# Altium PCB laser_board.PcbDoc (part 1 of 2)
Units mil, origin at the board's own origin, x right, y up, seen from the top; angles counter-clockwise.
Board outline 2420 x 3330 mil, 4 copper layers (Top Layer, Mid Layer 1, Mid Layer 2, Bottom Layer), stack 61.811 mil thick; 141 components, 94 nets, 491 pads, 219 vias.
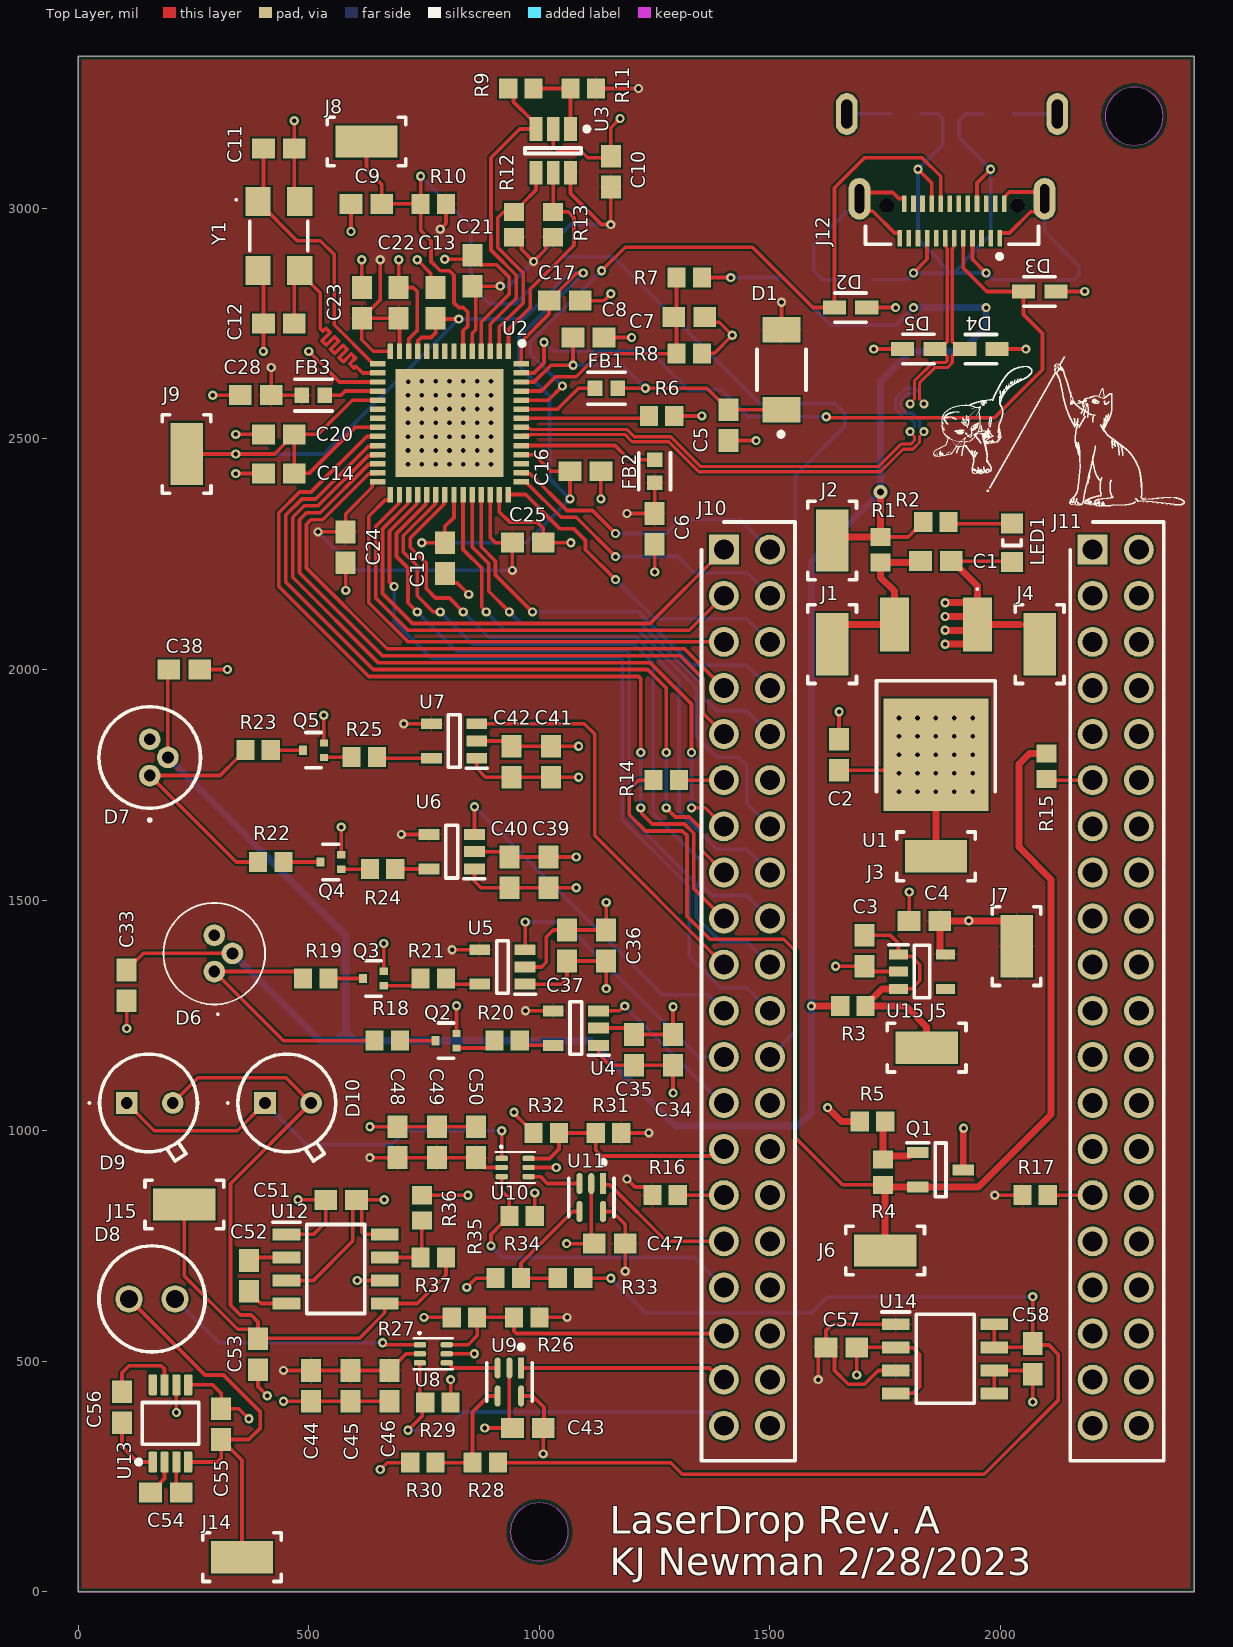
[diagram p0: Top Layer view]
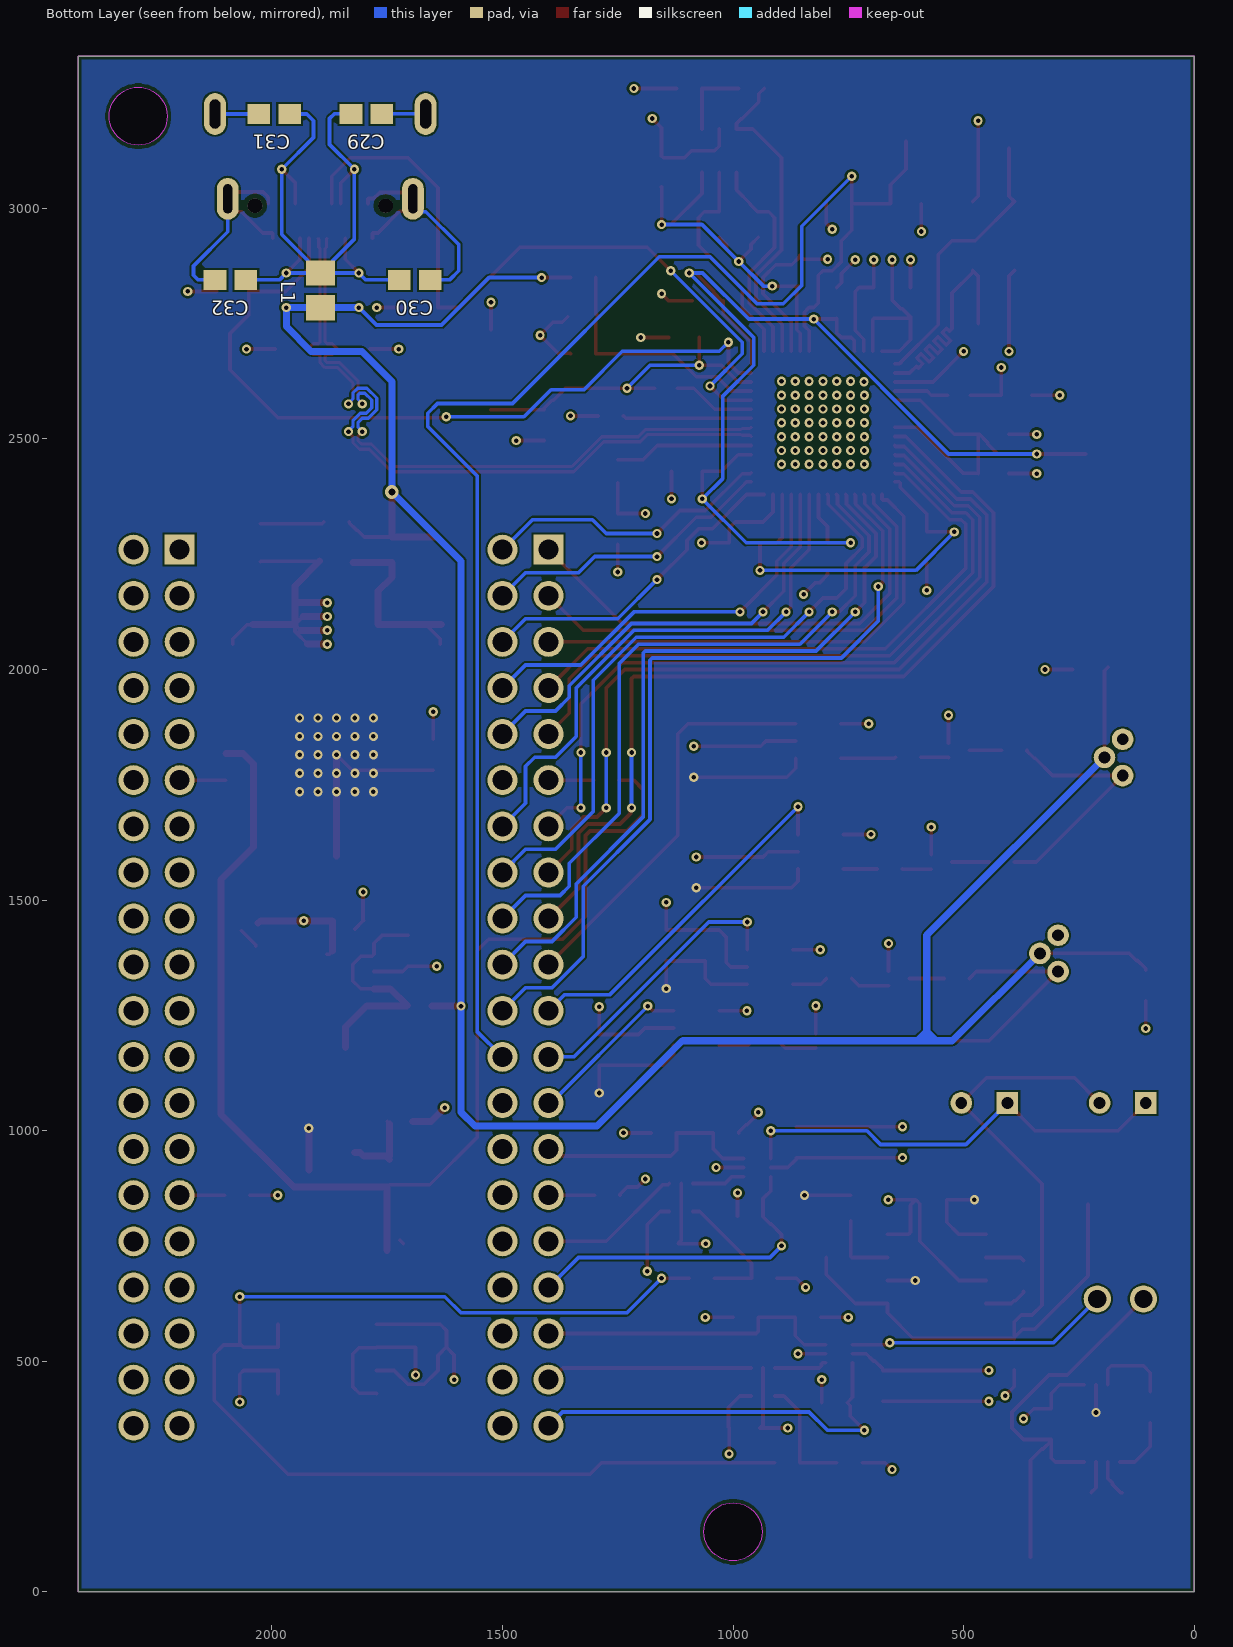
[diagram p1: Bottom Layer view, seen from below]
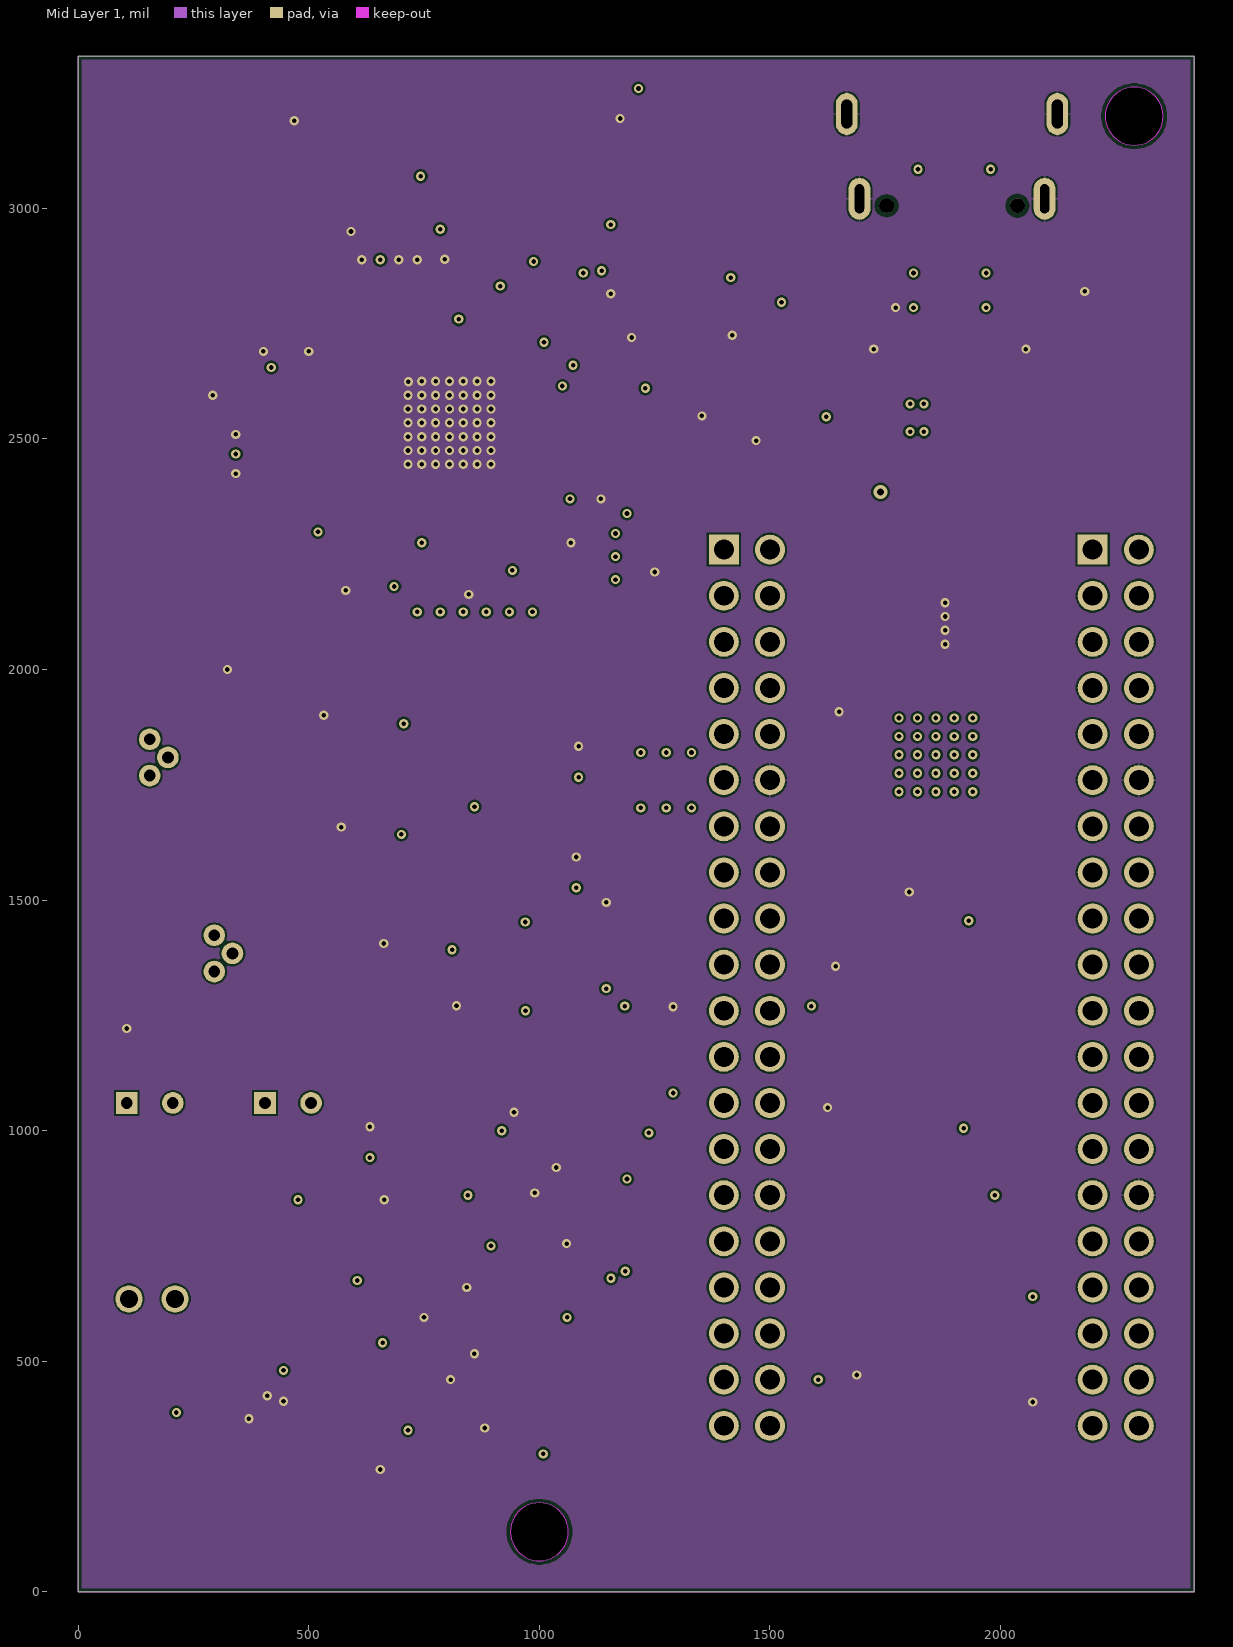
[diagram p2: Mid Layer 1]
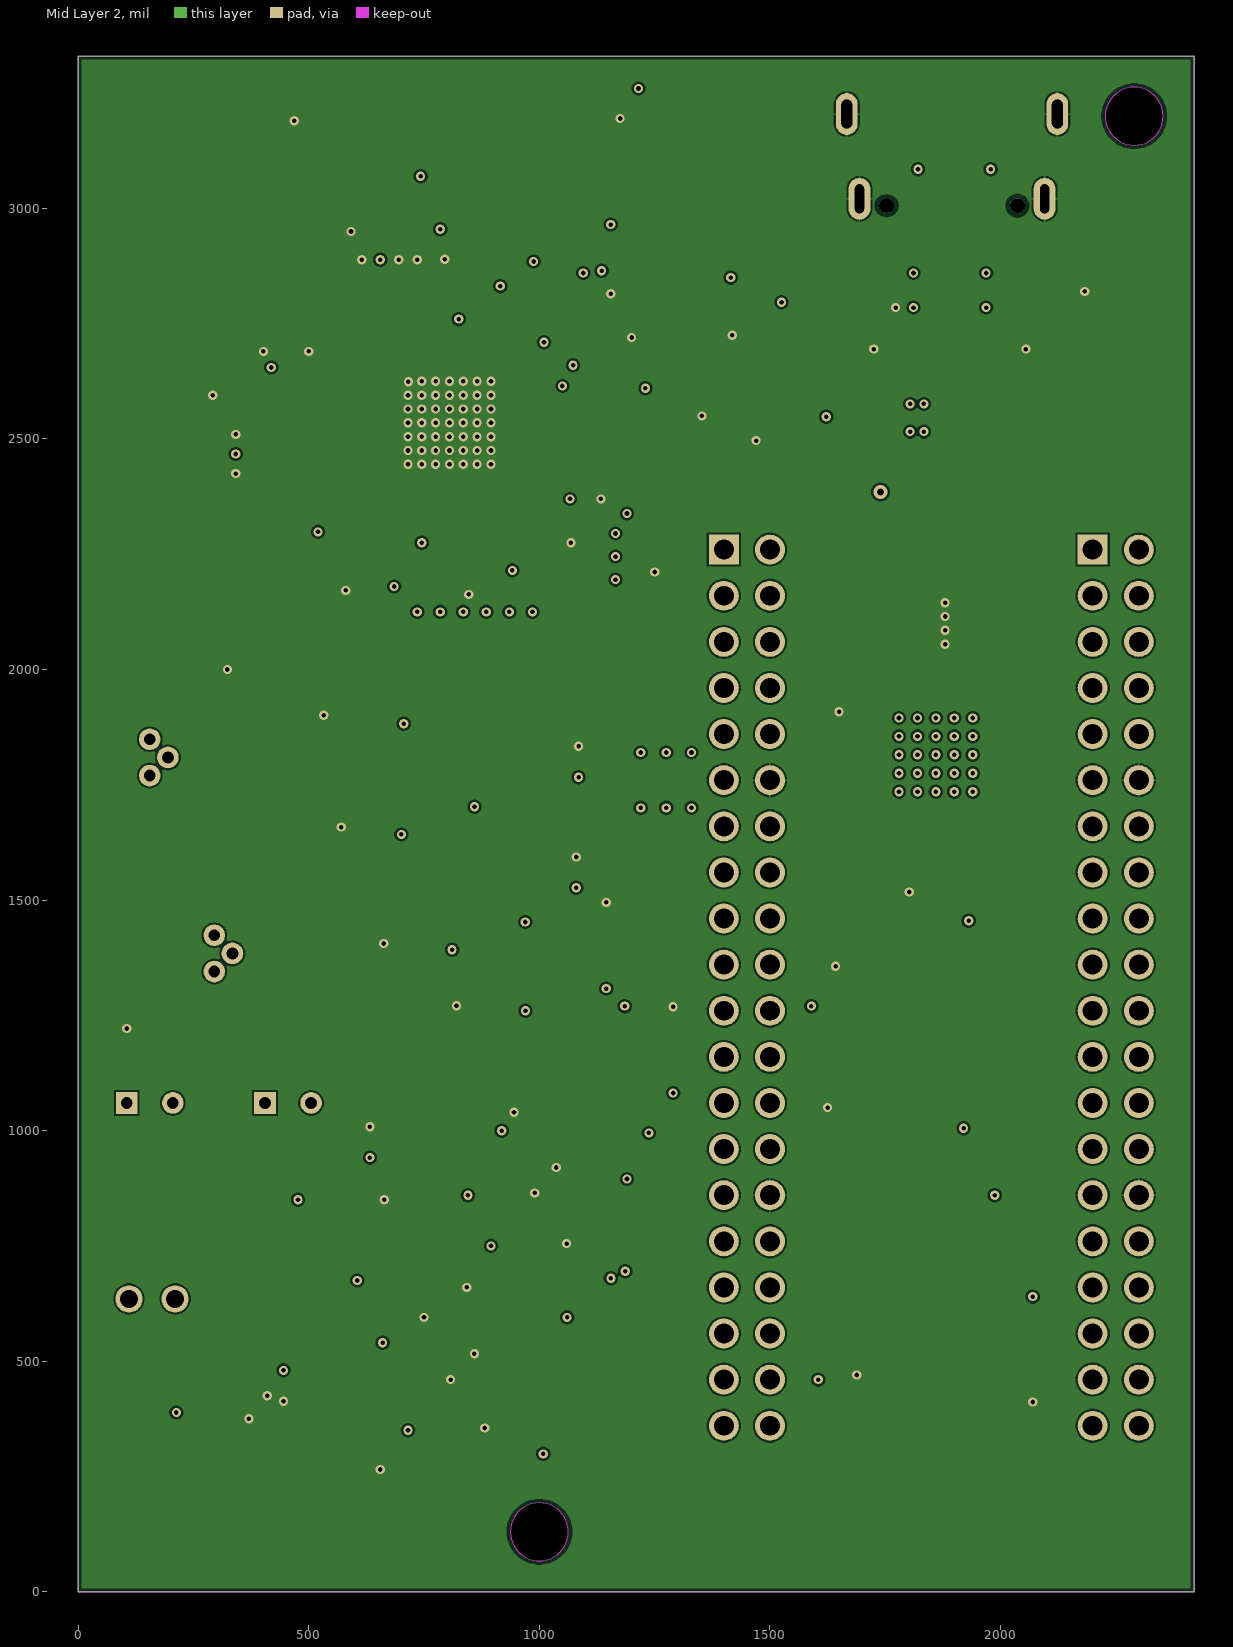
[diagram p3: Mid Layer 2]

## Layer stack, top to bottom
Top Solder: solder mask 0.5, Solder Resist, Dk 3.8
Top Layer: signal copper 1.378
Dielectric 1: prepreg 7.874, 7628, Dk 4.6
Mid Layer 1: signal copper 0.689
Core: core 41.929, FR-4, Dk 4.5
Mid Layer 2: signal copper 0.689
Dielectric 2: prepreg 7.874, 7628, Dk 4.6
Bottom Layer: signal copper 1.378
Bottom Solder: solder mask 0.5, Solder Resist, Dk 3.8

## Board outline
0,0 2420,0 2420,3330 0,3330
cut-out: 2227.01,3200 ccw(c2290,3200) 2290,3137.01 ccw(c2290,3200) 2352.99,3200 ccw(c2290,3200) 2290,3262.99 ccw(c2290,3200)
cut-out: 937.01,130 ccw(c1000,130) 1000,67.01 ccw(c1000,130) 1062.99,130 ccw(c1000,130) 1000,192.99 ccw(c1000,130)

## Design rules (kind name [scope] priority, off if disabled: settings)
BoardOutlineClearance [All] p1: gap=7.87 ignorepadtopadclearanceinfootprint=FALSE
Clearance [All] p1: gap=4 ignorepadtopadclearanceinfootprint=FALSE except(5: Arc-Via Track-Via SMDPad-Via THPad-Via Via-Via Via-Fill Via-Poly Via-Region Via-Text; 9.84: Arc-Hole Track-Hole SMDPad-Hole THPad-Hole Via-Hole Fill-Hole Poly-Hole Region-Hole Text-Hole)
ComponentClearance [All] p1: gap=4 collisioncheckmode=3 verticalgap=4 showdistances=TRUE
DiffPairsRouting DiffPairsRouting_3 [(InNet('D_P') OR InNet('D_N'))] p1: maxlimit=4 minlimit=4 mostfreqgap=4 toplayer_minwidth=6.89 toplayer_maxwidth=6.89 toplayer_prefwidth=6.89 midlayer1_minwidth=4.63 midlayer1_maxwidth=4.63 midlayer1_prefwidth=4.63 midlayer2_minwidth=4.63 midlayer2_maxwidth=4.63 midlayer2_prefwidth=4.63 bottomlayer_minwidth=6.89 bottomlayer_maxwidth=6.89 bottomlayer_prefwidth=6.89 maxuncoupledlength=1000
DiffPairsRouting DiffPairsRouting_2 [All] p2: maxlimit=10 minlimit=10 mostfreqgap=10 toplayer_minwidth=15 toplayer_maxwidth=15 toplayer_prefwidth=15 midlayer1_minwidth=15 midlayer1_maxwidth=15 midlayer1_prefwidth=15 midlayer2_minwidth=15 midlayer2_maxwidth=15 midlayer2_prefwidth=15 bottomlayer_minwidth=15 bottomlayer_maxwidth=15 bottomlayer_prefwidth=15 maxuncoupledlength=500
DiffPairsRouting DiffPairsRouting_1 [All] p3: maxlimit=10 minlimit=10 mostfreqgap=10 toplayer_minwidth=15 toplayer_maxwidth=15 toplayer_prefwidth=15 midlayer1_minwidth=15 midlayer1_maxwidth=15 midlayer1_prefwidth=15 midlayer2_minwidth=15 midlayer2_maxwidth=15 midlayer2_prefwidth=15 bottomlayer_minwidth=15 bottomlayer_maxwidth=15 bottomlayer_prefwidth=15 maxuncoupledlength=500
DiffPairsRouting [All] p4: maxlimit=4 minlimit=4 mostfreqgap=4 toplayer_minwidth=4 toplayer_maxwidth=71497.94 toplayer_prefwidth=4 midlayer1_minwidth=4 midlayer1_maxwidth=71497.94 midlayer1_prefwidth=4 midlayer2_minwidth=4 midlayer2_maxwidth=71497.94 midlayer2_prefwidth=4 bottomlayer_minwidth=4 bottomlayer_maxwidth=71497.94 bottomlayer_prefwidth=4 maxuncoupledlength=500
Height [All] p1: minheight=0 maxheight=71497.94 prefheight=500
HoleSize [All] p1: absolutevalues=TRUE maxlimit=248.03 minlimit=7.87 maxpercent=80.000 minpercent=20.000
HoleToHoleClearance [All] p1: gap=9.84 allowstackedmicrovias=FALSE
MatchedLengths [(InNet('NetC12_1') OR InNet('NetC11_2'))] p1: tolerance=1000 checknetsindiffpair=FALSE checkdiffpairvsdiffpair=TRUE checkxsignals=TRUE checkothers=TRUE
MinimumAnnularRing [All] p1: minimumring=3
MinimumSolderMaskSliver [All] p1: minsoldermaskwidth=0
PlaneClearance [All] p1: clearance=4
PlaneConnect PlaneConnectPowerPads [InPadClass('PowerPads')] p1: planeconnectstyle=Direct reliefexpansion=20 reliefentries=4 reliefconductorwidth=10 reliefairgap=10
PlaneConnect [All] p2: pad.planeconnectstyle=Relief pad.reliefexpansion=11.81 pad.reliefentries=4 pad.reliefconductorwidth=4 pad.reliefairgap=4 via.planeconnectstyle=Direct via.reliefexpansion=11.81 via.reliefentries=4 via.reliefconductorwidth=5 via.reliefairgap=5
PolygonConnect PolygonConnectPowerPads [All vs (InPadClass('PowerPads'))] p1: connectstyle=Direct reliefconductorwidth=10 reliefentries=4 polygonreliefangle="90 Angle" airgapwidth=10
PolygonConnect [All] p2: thpad.connectstyle=Relief thpad.reliefconductorwidth=4 thpad.reliefentries=4 thpad.polygonreliefangle="90 Angle" thpad.airgapwidth=4 smdpad.connectstyle=Relief smdpad.reliefconductorwidth=4 smdpad.reliefentries=4 smdpad.polygonreliefangle="90 Angle" smdpad.airgapwidth=4 via.connectstyle=Direct via.reliefconductorwidth=5 via.reliefentries=4 via.polygonreliefangle="90 Angle" via.airgapwidth=5
RoutingVias [All] p1: holewidth=7.87 width=17.72 viastyle="Through Hole" minholewidth=7.87 minwidth=17.72 maxholewidth=248.03 maxwidth=257.87
SilkToSilkClearance [All] p1: silktosilkclearance=0
SilkToSolderMaskClearance [IsPad] p1: minsilkscreentomaskgap=4 clearancetoexposedcopper=TRUE
SolderMaskExpansion [All] p1: expansion=2.95 istentingtop=FALSE
Width [All] p1: maxlimit=71497.94 minlimit=4 preferedwidth=8
20 further rules are at their usual default settings.

## Classes and differential pairs
component class U_transmitters: C33 C34 C35 C36 C37 C38 C39 C40 C41 C42 D6 D7 Q2 Q3 Q4 Q5 R18 R19 R20 R21 R22 R23 R24 R25 U4 U5 U6 U7
component class U_receivers: C43 C44 C45 C46 C47 C48 C49 C50 C51 C52 C53 C54 C55 C56 C57 C58 D8 D9 D10 J14 J15 R26 R27 R28 R29 R30 R31 R32 R33 R34 R35 R36 R37 U8 U9 U10 U11 U12 U13 U14
component class U_power: C1 C2 C3 C4 J1 J2 J3 J4 J5 J6 J7 LED1 Q1 R1 R2 R3 R4 R5 U1 U15
component class U_ftdi: C5 C6 C7 C8 C9 C10 C11 C12 C13 C14 C15 C16 C17 C20 C21 C22 C23 C24 C25 C28 D1 FB1 FB2 FB3 J8 J9 R6 R7 R8 R9 R10 R11 R12 R13 U2 U3 Y1
component class U_connectors: C29 C30 C31 C32 D2 D3 D4 D5 J10 J11 J12 L1 R14 R15 R16 R17
differential pair D_D_: +D_P -D_N
differential pair D: +D_P -D_N

## Components (designator, comment, footprint, x,y, rotation, side; value= is the part's Value field where it differs from the comment)
C1 "10 uF" CAPC1608X90X35ML15T15 1860,2235 r180 top
C2 "10 uF" CAPC1608X90X35ML15T15 1650,1815 r270 top
C3 "10 uF" CAPC1608X90X35ML15T15 1705,1390 r90 top
C4 "10 uF" CAPC1608X90X35ML15T15 1835,1455 r0 top
C5 "0.1 uF" CAPC1608X90X35ML15T15 1410,2530 r270 top
C6 "0.1 uF" CAPC1608X90X35ML15T15 1250,2305 r270 top
C7 "33 nF" CAPC1608X90X35ML15T15 1325,2765 r0 top
C8 "0.1 uF" CAPC1608X90X35ML15T15 1106.54,2720 r0 top
C9 "0.1 uF" CAPC1608X90X35ML15T15 625,3010 r180 top
C10 "0.1 uF" CAPC1608X90X35ML15T15 1155,3080 r270 top
C11 "8.2 pF" CAPC1608X90X35ML15T15 435,3130 r180 top
C12 "8.2 pF" CAPC1608X90X35ML15T15 435,2750 r180 top
C13 "0.1 uF" CAPC1608X90X35ML15T15 775,2795 r90 top
C14 "0.1 uF" CAPC1608X90X35ML15T15 435,2425 r180 top
C15 "0.1 uF" CAPC1608X90X35ML15T15 795,2241.54 r270 top
C16 "0.1 uF" CAPC1608X90X35ML15T15 1100,2430 r0 top
C17 "0.1 uF" CAPC1608X90X35ML15T15 1055,2800 r0 top
C20 "3.3 uF" CAPC1608X90X35ML15T15 435,2510 r180 top
C21 "0.1 uF" CAPC1608X90X35ML15T15 855,2865 r90 top
C22 "0.1 uF" CAPC1608X90X35ML15T15 695,2795 r90 top
C23 "0.1 uF" CAPC1608X90X35ML15T15 615,2795 r90 top
C24 "0.1 uF" CAPC1608X90X35ML15T15 580,2265 r270 top
C25 "0.1 uF" CAPC1608X90X35ML15T15 975,2275 r0 top
C28 "0.1 uF" CAPC1608X90X35ML15T15 385,2595 r180 top
C29 "0.1 uF" CAPC1608X90X35ML15T15 1795,3205 r180 bottom
C30 "0.1 uF" CAPC1608X90X35ML15T15 1690.16,2845 r180 bottom
C31 "0.1 uF" CAPC1608X90X35ML15T15 1995,3204.72 r0 bottom
C32 "0.1 uF" CAPC1608X90X35ML15T15 2090,2845 r0 bottom
C33 "0.1 uF" CAPC1608X90X35ML15T15 105,1315 r270 top
C34 "10 uF" CAPC1608X90X35ML15T15 1290,1175 r270 top
C35 "6.8 nF" CAPC1608X90X35ML15T15 1205,1175 r270 top
C36 "10 uF" CAPC1608X90X35ML15T15 1145,1401.54 r270 top
C37 "6.8 nF" CAPC1608X90X35ML15T15 1060,1401.54 r270 top
C38 "0.1 uF" CAPC1608X90X35ML15T15 230,2000 r0 top
C39 "10 uF" CAPC1608X90X35ML15T15 1020,1560 r270 top
C40 "6.8 nF" CAPC1608X90X35ML15T15 935,1560 r270 top
C41 "10 uF" CAPC1608X90X35ML15T15 1025,1800 r270 top
C42 "6.8 nF" CAPC1608X90X35ML15T15 940,1800 r270 top
C43 "0.1 uF" CAPC1608X90X35ML15T15 975,355 r0 top
C44 "0.1 uF" CAPC1608X90X35ML15T15 505,446.54 r90 top
C45 "1 nF" CAPC1608X90X35ML15T15 590,446.54 r90 top
C46 "100 pF" CAPC1608X90X35ML15T15 675,446.54 r90 top
C47 "0.1 uF" CAPC1608X90X35ML15T15 1152.56,755 r0 top
C48 "0.1 uF" CAPC1608X90X35ML15T15 692.56,975 r270 top
C49 "1 nF" CAPC1608X90X35ML15T15 777.56,975 r270 top
C50 "100 pF" CAPC1608X90X35ML15T15 862.56,975 r270 top
C51 "22 uF" CAPC1608X90X35ML15T15 570,850 r180 top
C52 "4.7 uF" CAPC1608X90X35ML15T15 370,685 r90 top
C53 "22 uF" CAPC1608X90X35ML15T15 390,515 r90 top
C54 "3.3 uF" CAPC1608X90X35ML15T15 190,215 r0 top
C55 "3.3 uF" CAPC1608X90X35ML15T15 310,363.46 r270 top
C56 "3.3 uF" CAPC1608X90X35ML15T15 95,400 r90 top
C57 "0.1 uF" CAPC1608X90X35ML15T15 1655,530 r180 top
C58 "1 nF" CAPC1608X90X35ML15T15 2070,505 r90 top
D1 "PMEG3050BEP,115" FP-SOD128-MFG 1525,2650 r90 top
D2 "PGB1010603NRHF" FP-PGB1-0603-MFG 1674.96,2785 r0 top value=0.06pF
D3 "PGB1010603NRHF" FP-PGB1-0603-MFG 2084.96,2820 r0 top value=0.06pF
D4 "PGB1010603NRHF" FP-PGB1-0603-MFG 1957.58,2695 r0 top value=0.06pF
D5 "PGB1010603NRHF" FP-PGB1-0603-MFG 1822.58,2695 r180 top value=0.06pF
D6 "PLT5_510" PLT5510 295,1345 r90 top
D7 "RLD78NZM5-00A" RLD85PZJ400A 155,1770 r180 top
D8 "SFH_203_FA" SFH203FA 110,635 r0 top
D9 "MTD5052W" MTD5052W 105,1060 r0 top
D10 "MTD5052W" MTD5052W 405,1060 r0 top
FB1 "MPZ1608S102ATA00" FP-MPZ1608-0_8-IPC_C 1145.35,2610 r0 top
FB2 "MPZ1608S102ATA00" FP-MPZ1608-0_8-IPC_C 1250,2430 r90 top
FB3 "MPZ1608S102ATA00" FP-MPZ1608-0_8-IPC_C 509.65,2595 r0 top
J1 "5015" FP-5015-MFG 1635,2055 r90 top
J2 "5015" FP-5015-MFG 1635,2280 r90 top
J3 "5015" FP-5015-MFG 1860,1595 r180 top
J4 "5015" FP-5015-MFG 2085,2055 r90 top
J5 "5015" FP-5015-MFG 1840,1180 r0 top
J6 "5015" FP-5015-MFG 1750,740 r180 top
J7 "5015" FP-5015-MFG 2035,1400 r90 top
J8 "5015" FP-5015-MFG 625,3145 r0 top
J9 "5015" FP-5015-MFG 235,2467.5 r90 top
J10 "PRT-16764" RHDR40W64P254_2X20_5130X500X1375P#1 1400,2260 r270 top
J11 "PRT-16764" RHDR40W64P254_2X20_5130X500X1375P#2 2200,2260 r270 top
J12 "2388749-1" FP-2388749-1-MFG 1895,3125 r180 top
J14 "5015" FP-5015-MFG 355,75 r0 top
J15 "5015" FP-5015-MFG 230,840 r0 top
L1 "FBMJ2125HM210NT" INDC2013X105X50ML20T30 1895,2822.4 r270 bottom
LED1 "150080RS75000" 0805_A 2025,2275 r90 top
Q1 "AO3415A" SOT95P280X125-3N 1870,915 r0 top
Q2 "SSM3K35AMFV,L3F" FP-SOT-723-MFG 797.64,1195 r180 top
Q3 "SSM3K35AMFV,L3F" FP-SOT-723-MFG 640,1330 r180 top
Q4 "SSM3K35AMFV,L3F" FP-SOT-723-MFG 547.64,1582.5 r180 top
Q5 "SSM3K35AMFV,L3F" FP-SOT-723-MFG 510,1825 r180 top
R1 "0" RESC1608X55X30ML20T20 1740,2260 r270 top
R2 "348" RESC1608X55X30ML20T20 1860,2320 r0 top
R3 "0" RESC1608X55X30ML20T20 1680,1270 r0 top
R4 "30k" RESC1608X55X30ML20T20 1745,910 r270 top
R5 "30k" RESC1608X55X30ML20T20 1722.44,1020 r0 top
R6 "12k" RESC1608X55X30ML20T20 1265,2550 r180 top
R7 "100k" RESC1608X55X30ML20T20 1325,2850 r180 top
R8 "15k" RESC1608X55X30ML20T20 1325,2685 r0 top
R9 "2.2k" RESC1608X55X30ML20T20 960,3260 r0 top
R10 "20k" RESC1608X55X30ML20T20 770,3010 r0 top
R11 "10k" RESC1608X55X30ML20T20 1095,3260 r180 top
R12 "10k" RESC1608X55X30ML20T20 945,2965 r90 top
R13 "10k" RESC1608X55X30ML20T20 1030,2965 r90 top
R14 "DNP" RESC1608X55X30ML20T20 1275,1760 r0 top
R15 "DNP" RESC1608X55X30ML20T20 2100,1790 r270 top
R16 "0" RESC1608X55X30ML20T20 1272.56,860 r0 top
R17 "0" RESC1608X55X30ML20T20 2075,860 r0 top
R18 "180" RESC1608X55X30ML20T20 670,1195 r180 top
R19 "665" RESC1608X55X30ML20T20 515,1330 r180 top
R20 "10" RESC1608X55X30ML20T20 930,1195 r180 top
R21 "10" RESC1608X55X30ML20T20 770,1330 r180 top
R22 "453" RESC1608X55X30ML20T20 417.44,1582.5 r180 top
R23 "1.54k" RESC1608X55X30ML20T20 390,1825 r180 top
R24 "10" RESC1608X55X30ML20T20 660,1567.5 r180 top
R25 "10" RESC1608X55X30ML20T20 620,1810 r180 top
R26 "DNP" RESC1608X55X30ML20T20 972.56,595 r0 top
R27 "20k" RESC1608X55X30ML20T20 837.44,595 r0 top
R28 "15k" RESC1608X55X30ML20T20 882.56,280 r0 top
R29 "20k" RESC1608X55X30ML20T20 780,410 r180 top
R30 "10k" RESC1608X55X30ML20T20 747.56,280 r0 top
R31 "DNP" RESC1608X55X30ML20T20 1150,995 r0 top
R32 "20k" RESC1608X55X30ML20T20 1015,995 r0 top
R33 "15k" RESC1608X55X30ML20T20 1067.56,680 r0 top
R34 "20k" RESC1608X55X30ML20T20 962.56,815 r180 top
R35 "10k" RESC1608X55X30ML20T20 932.56,680 r0 top
R36 "100k" RESC1608X55X30ML20T20 745,832.44 r90 top
R37 "51k" RESC1608X55X30ML20T20 770,725 r180 top
U1 "NCP1117IDT50T4G" NCP1117IDT50T4G 1860,1916.57 r90 top
U2 "FT232HPQ-TRAY" QFN50P800X800X90-57N-D 805,2535 r270 top
U3 "93LC66BT-I/OT" SOT-23-OT6_M 1030,3125 r270 top
U4 "FAN3111ESX" SOT95P280X145-5N 1079.21,1222.4 r180 top
U5 "FAN3111ESX" SOT95P280X145-5N 920,1355 r180 top
U6 "FAN3111ESX" SOT95P280X145-5N 810,1605 r180 top
U7 "FAN3111ESX" SOT95P280X145-5N 815,1845 r180 top
U8 "LMH34400IDRLR" SOT-5X3 770,516 r0 top
U9 "TLV3201AIDCKT" FP-DCK0005A-IPC_C 935,455 r270 top
U10 "LMH34400IDRLR" SOT-5X3 947.56,920 r0 top
U11 "TLV3201AIDCKT" FP-DCK0005A-IPC_C 1112.56,855 r270 top
U12 "MAX889RESA+" SOIC127P600X175-8N 558.23,700 r0 top
U13 "LM2682MM/NOPB" DGK0008A_L 200,365 r90 top
U14 "MCP1501-30E_SN" SOIC127P600X175-8N 1880,505 r0 top
U15 "NCP718BSN330T1G" SOT95P280X100-5N 1830,1345 r0 top
Y1 "830059522" 830059522 435,2940 r270 top
